# Altium PCB MB1397.PcbDoc (part 10 of 11)
Units mm, origin at the board's own origin, x right, y up, seen from the top; angles counter-clockwise.
Board outline 118.24 x 172.86 mm, 6 copper layers (Top Layer, L2_GND, L3_VCC, L4_SIG, L5_GND, Bottom Layer), stack 1.631 mm thick; 819 components, 632 nets, 2875 pads, 1523 vias.
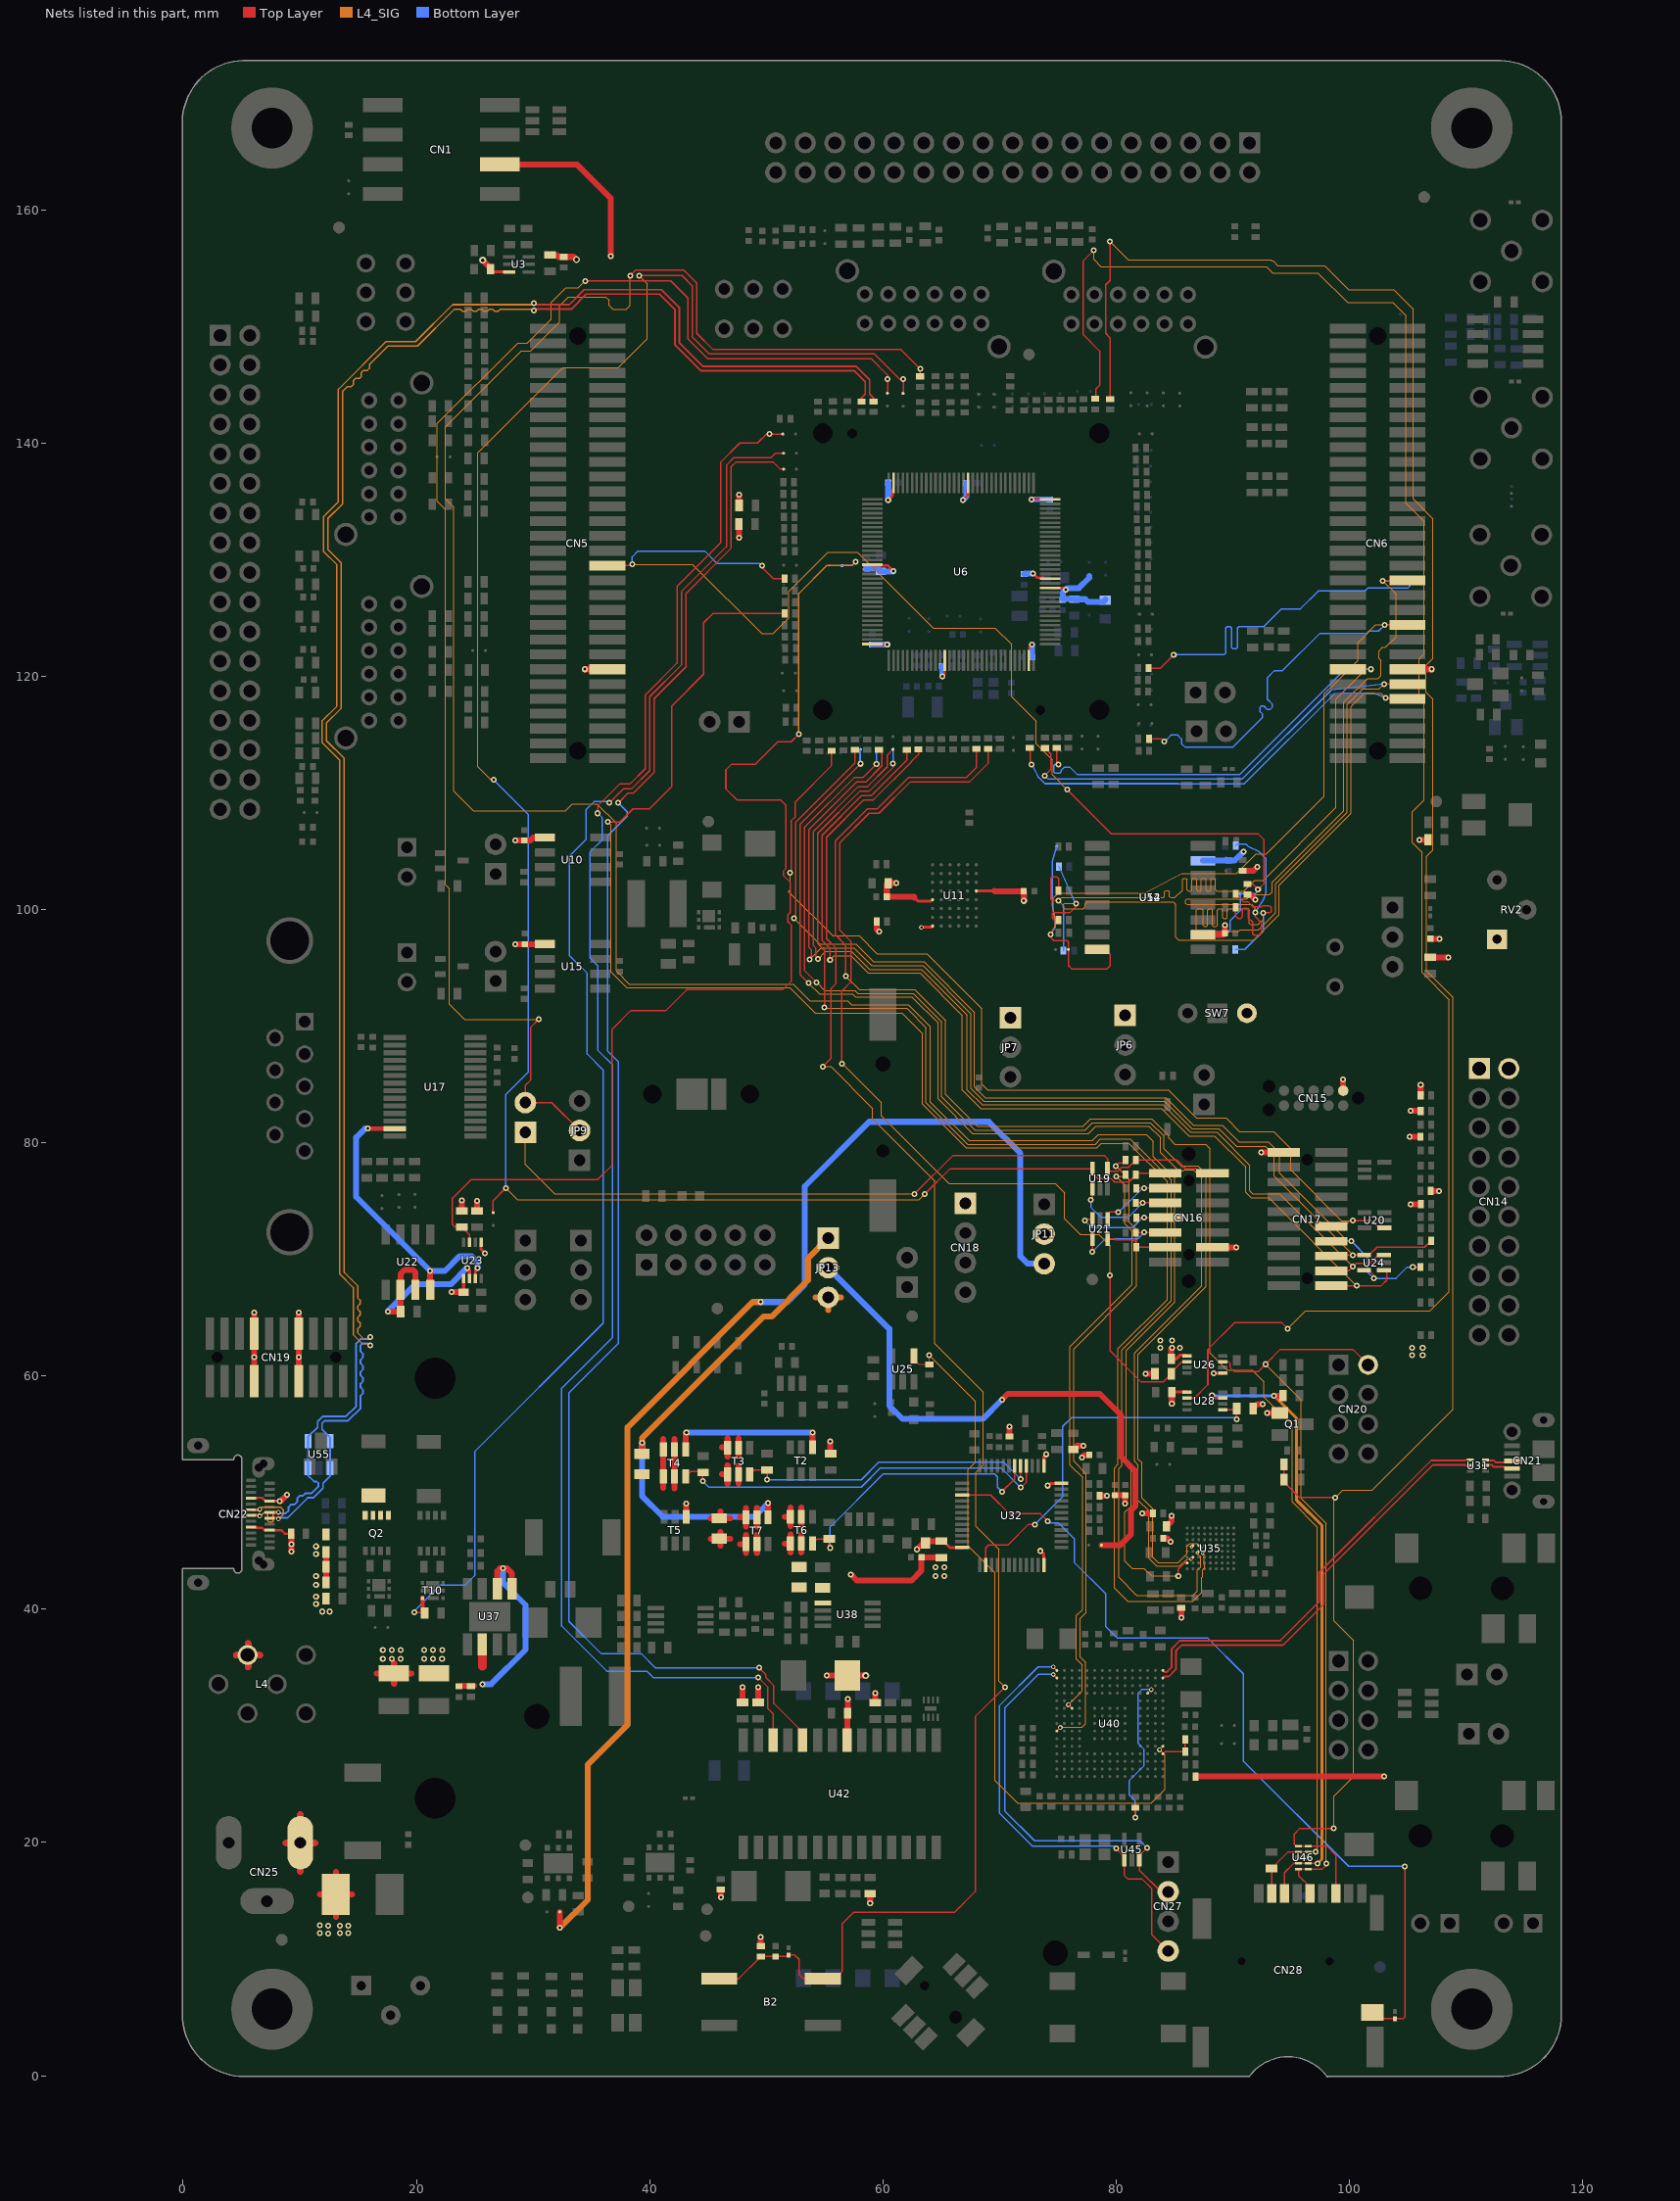
[diagram p14: the nets of this part, all layers, seen from the top]

## Via types
v1: diameter 0.508, hole 0.254, Top Layer to Bottom Layer, tented both sides, 1330 vias
v2: diameter 0.406, hole 0.203, Top Layer to Bottom Layer, tented both sides, 115 vias
v3: diameter 0.508, hole 0.254, Top Layer to Bottom Layer, 33 vias
v4: diameter 0.305, hole 0.152, Top Layer to Bottom Layer, tented both sides, 26 vias
v5: diameter 0.61, hole 0.305, Top Layer to Bottom Layer, tented both sides, 14 vias
v6: diameter 0.61, hole 0.33, Top Layer to Bottom Layer, tented both sides, 2 vias
v7: diameter 0.381, hole 0.203, Top Layer to Bottom Layer, tented both sides, 2 vias
v8: diameter 0.508, hole 0.203, Top Layer to Bottom Layer, tented both sides, 1 vias

## Nets (pads, with @x,y where several pads share a name; then routed paths per layer and width w, separated by ;. In a path a pad name is that pad's centre, name@x,y a point inside that pad or via, vN(x,y) a via of type N, cw(c..) or ccw(c..) an arc to the next point about the centre after c; other vN are vias at no path point) (continued)
QSPI_BK2_IO0: CN6.52 R130.1 R170.2 R320.2 | length 93.1
  Top Layer w0.127: R130.1@72.603,113.85 72.616,113.835 72.616,112.57 v1(72.743,112.443) ; R170.2@75.047,99.086 74.671,99.085 74.521,99.235 74.521,99.616 74.648,99.743 76.045,99.743 76.553,100.251 v1(76.553,100.505) ; v1(103.096,118.158) 103.195,118.059 CN6.52@104.965,118.061
  L4_SIG w0.102: v1(76.553,100.505) 75.588,100.505 75.461,100.378 75.461,100.175 75.588,100.048 77.163,100.048 77.34,100.226 77.34,100.48 77.493,100.632 84.91,100.632 85.113,100.429 85.113,97.61 85.341,97.381 91.793,97.381 93.977,99.565 93.977,102.078 100.15,108.25 100.15,117.422 101.267,118.539 102.715,118.539 v1(103.096,118.158)
  Bottom Layer w0.127: v1(72.743,112.443) 73.028,111.948 73.363,111.316 73.886,110.792 85.316,110.792 85.34,110.768 90.969,110.768 98.684,118.484 99.2,118.539 102.08,118.539 v1(103.096,118.158) ; R320.2@75.088,103.681 76.5,100.526 v1(76.553,100.505)
QSPI_BK2_IO1: CN6.50 R133.1 R168.1 R321.1 | length 94.7
  Top Layer w0.127: v1(73.861,111.478) 74.394,112.011 74.394,113.33 R133.1@73.889,113.838 ; R168.1@90.235,101.349 90.95,100.632 91.336,100.632 91.74,100.228 92.453,100.228 92.527,100.302 93.165,100.302 93.292,100.175 93.292,99.84 93.165,99.713 v1(92.613,99.713) ; v1(102.969,119.329) CN6.50@104.965,119.331
  L4_SIG w0.102: v1(92.613,99.713) 92.613,99.141 92.174,98.702 91.514,98.702 91.412,98.803 91.412,99.946 91.31,100.048 89.626,100.048 89.525,99.946 89.525,99.311 89.423,99.21 89.22,99.21 89.118,99.311 89.118,99.946 89.017,100.048 88.76,100.048 88.659,99.946 88.659,98.651 88.557,98.549 88.354,98.549 88.252,98.651 88.252,99.946 88.151,100.048 87.947,100.048 87.846,99.946 87.846,98.651 87.744,98.549 87.541,98.549 87.439,98.651 87.439,99.946 87.338,100.048 86.992,100.048 86.878,99.934 86.878,98.219 86.98,98.118 90.498,98.118 90.65,98.27 92.199,98.27 93.673,99.743 93.673,102.205 99.819,108.351 99.819,117.574 101.143,118.897 102.537,118.897 v1(102.969,119.329)
  Bottom Layer w0.127: v1(73.861,111.478) 74.163,111.173 90.781,111.173 98.45,118.843 v1(102.969,119.329) ; R321.1@90.212,96.569 91.031,96.568 92.613,98.151 v1(92.613,99.713)
QSPI_BK2_IO2: CN6.47 R131.1 R167.2 R322.2 | length 93.7
  Top Layer w0.127: R131.1@74.888,113.85 74.887,112.586 v1(75.029,112.443) ; v1(75.052,100.759) 74.521,100.759 74.394,100.886 74.394,102.664 74.521,102.791 74.925,102.791 75.052,102.664 R167.2@75.052,101.626 ; CN6.47@99.865,120.601 v1(101.826,120.599)
  L4_SIG w0.102: v1(75.052,100.759) 75.306,101.013 84.056,101.013 84.158,101.115 84.158,101.521 84.259,101.623 84.463,101.623 84.564,101.521 84.564,101.115 84.666,101.013 85.037,101.013 85.677,101.653 85.677,102.563 85.778,102.664 85.982,102.664 86.083,102.563 86.083,101.697 86.185,101.595 86.388,101.595 86.49,101.697 86.49,102.563 86.591,102.664 86.794,102.664 86.896,102.563 86.896,101.697 86.998,101.595 87.201,101.595 87.302,101.697 87.302,102.563 87.404,102.664 87.607,102.664 87.709,102.563 87.709,101.697 87.81,101.595 88.014,101.595 88.115,101.697 88.115,102.563 88.217,102.664 88.42,102.664 88.522,102.563 88.522,101.697 88.623,101.595 90.952,101.595 91.869,102.512 92.606,102.512 98.854,108.76 98.854,118.057 101.397,120.599 v1(101.826,120.599)
  Bottom Layer w0.127: v1(75.029,112.443) 74.775,112.443 74.648,112.316 74.648,111.808 74.775,111.681 75.156,111.681 75.283,111.808 75.283,111.935 75.537,112.189 76.045,112.189 76.683,111.552 90.561,111.552 99.609,120.599 v1(101.826,120.599) ; v1(75.052,100.759) 75.479,100.333 R322.2@75.479,96.468
QSPI_BK2_IO3: CN6.36 R116.1 R169.1 R319.1 | length 97.5
  Top Layer w0.127: R116.1@82.771,120.701 83.795,120.701 v1(84.935,121.841) ; 90.244,99.469 90.244,99.428 ; R169.1@90.244,100.175 90.244,99.428 ; v1(91.92,99.743) 91.92,99.388 92.456,98.852 92.456,97.942 92.301,97.787 91.818,97.787 91.691,97.914 91.691,98.93 91.336,99.286 91.336,99.972 91.209,100.099 90.952,100.099 90.825,99.972 90.825,99.39 90.658,99.223 90.449,99.223 90.244,99.428 ; v1(102.842,128.191) 102.87,128.219 CN6.36@104.965,128.221
  L4_SIG w0.102: v1(91.92,99.743) 91.92,100.124 91.615,100.429 86.053,100.429 85.951,100.531 85.951,100.81 86.053,100.912 91.183,100.912 91.539,101.267 93.139,101.267 93.368,101.496 93.368,102.332 99.515,108.478 99.515,117.777 101.547,119.809 102.461,119.809 102.69,120.038 102.69,121.356 102.537,121.511 102.537,122.171 102.842,122.476 103.096,122.476 103.985,123.365 103.985,127.048 v1(102.842,128.191)
  Bottom Layer w0.127: v1(84.935,121.841) 89.253,121.841 89.38,121.968 89.38,124.127 89.507,124.254 89.761,124.254 89.888,124.127 89.888,122.476 90.015,122.349 90.269,122.349 90.396,122.476 90.396,124.127 90.523,124.254 92.652,124.254 94.176,125.778 95.796,125.778 97.32,127.302 101.318,127.302 101.572,127.556 105.001,127.556 105.128,127.683 105.128,128.064 105.001,128.191 v1(102.842,128.191) ; R319.1@90.247,105.485 90.35,105.588 91.144,105.588 91.35,105.381 92.238,104.963 92.837,104.364 92.837,101.445 92.624,100.843 v1(91.92,99.743)
QSPI_BK2_NCS: CN5.34 R90.2 R166.2 SB120.1 U54.7 | length 106
  Top Layer w0.127: CN5.34@36.385,129.491 38.382,129.489 v1(38.504,129.588) ; v1(49.629,129.461) 49.629,129.334 50.264,128.702 50.602,128.364 R90.2@51.569,128.366 ; v1(75.791,110.284) 79.601,106.474 92.174,106.474 92.682,105.966 92.682,102.232 v1(92.159,101.709) 91.691,102.177 R166.2@91.26,102.178
  L4_SIG w0.102: v1(38.504,129.588) 43.66,129.588 49.604,123.645 50.571,123.645 51.943,125.016 51.943,127.257 55.306,130.621 57.822,130.621 64.315,124.127 69.624,124.127 71.018,122.733 71.018,118.25 73.124,116.144 73.124,114.224 74.521,112.827 74.521,111.554 v1(75.791,110.284)
  Bottom Layer w0.127: v1(38.504,129.588) 38.504,130.244 38.992,130.731 44.722,130.731 45.789,129.667 49.423,129.667 v1(49.629,129.461) ; U54.7@87.454,97.839 89.38,97.838 89.761,98.219 89.761,99.032 90.635,99.906 SB120.1@90.635,101.349 91.93,101.349 92.159,101.577 v1(92.159,101.709)
QSPI_CLK: CN6.42 R129.1 SB36.2 SB119.2 U12.16 | length 95.6
  Top Layer w0.127: v1(74.369,97.864) 74.369,97.61 74.648,97.33 75.776,97.33 75.903,97.203 75.903,96.571 SB36.2@75.901,96.572 75.9,95.189 76.172,94.917 79.22,94.917 79.474,95.171 79.474,96.187 79.093,96.568 U12.16@78.354,96.569 ; R129.1@82.807,114.623 83.898,114.623 v1(84.135,114.386) ; v1(103.033,124.409) CN6.42@104.965,124.411
  L4_SIG w0.102: v1(74.369,97.864) 74.775,98.6 74.775,98.981 74.62,99.87 74.62,100.985 75.029,101.394 82.42,101.394 85.595,103.071 90.294,103.071 91.996,104.772 92.885,104.772 97.838,109.728 97.838,118.491 98.662,119.315 98.665,119.315 100.711,121.361 100.711,122.885 102.235,124.409 v1(103.033,124.409)
  Bottom Layer w0.127: v1(74.369,97.864) 74.775,98.473 74.775,98.877 74.521,100.353 74.521,104.143 SB119.2@74.897,105.408 ; v1(84.135,114.386) 84.657,114.91 84.718,114.971 85.247,114.971 85.598,114.62 85.598,114.221 85.915,113.904 89.983,113.904 92.558,116.478 92.558,116.745 92.31,116.992 92.31,117.297 92.463,117.45 92.659,117.45 92.964,117.145 93.193,117.145 93.396,117.348 93.396,117.602 92.956,118.041 92.956,119.869 93.569,120.482 94.267,120.482 97.468,123.683 101.509,123.683 101.699,123.873 102.497,123.873 v1(103.033,124.409)
RS485_DIR: R201.1 SB123.2 U23.3 | length 98.2
  Top Layer w0.127: U23.3@24.551,71.472 24.551,72.111 R201.1@23.897,72.765 23.312,72.765 23.086,72.991 23.086,75.232 24.689,76.835 35.535,76.835 36.779,78.08 36.779,89.738 38.354,91.313 41.366,91.313 43.17,93.116 51.41,93.116 52.154,93.861 52.154,98.658 51.841,98.971 51.841,99.531 52.07,99.76 52.07,102.311 51.482,102.9 51.482,103.315 51.692,103.525 51.692,108.93 51.224,109.398 47.475,109.398 46.533,110.34 46.533,111.969 47.035,112.471 49.073,112.471 50.978,114.376 52.139,114.376 52.799,115.037 v1(52.781,115.037)
  L4_SIG w0.127: v1(52.781,115.037) 52.781,127.089 55.205,129.513 57.364,129.513 v1(57.661,129.809)
  Bottom Layer w0.127: SB123.2@56.48,129.487 57.339,129.487 v1(57.661,129.809)
RS485_DIR_3V3: R213.2 U22.2 U22.3 U23.6 | length 16.4
  Top Layer w0.254: v1(24.356,69.263) 24.549,69.07 U23.6@24.549,68.656
  Top Layer w0.508: v1(17.546,65.532) R213.2@18.647,65.532 18.636,65.54 18.636,68.75 18.981,69.096 19.698,69.096 19.906,68.887 U22.3@19.907,67.391
  Bottom Layer w0.508: v1(17.546,65.532) 19.883,67.866 22.959,67.866 v1(24.356,69.263)
SAI_FS_A: SB107.1 U35.E3 | length 112.6
  Top Layer w0.127: v1(54.988,91.615) 54.988,96.492 54.399,97.081 54.399,106.523 58.034,110.157 58.834,110.157 60.858,112.179 v1(60.858,112.519) ; v4(86.951,44.84) U35.E3@87.077,44.966
  L4_SIG w0.102: v1(54.988,91.615) 55.077,91.526 62.037,91.526 63.701,89.863 63.701,83.434 67.254,79.88 78.202,79.88 78.633,80.312 81.197,80.312 84.706,76.803 84.706,66.469 80.465,62.227 80.465,52.296 80.236,52.067 80.236,42.72 81.76,41.196 86.586,41.196 86.967,41.577 86.967,43.355 87.236,43.623 87.236,44.486 86.951,44.771 v4(86.951,44.84)
  Bottom Layer w0.127: v1(60.858,112.519) SB107.1@60.858,113.724
SAI_MCLK_A: SB111.1 U35.D3 | length 110
  Top Layer w0.127: v1(54.303,93.749) 53.264,94.788 53.264,107.031 57.534,111.3 58.265,111.3 v1(59.446,112.481) ; U35.D3@87.077,45.466 v4(87.236,45.306)
  L4_SIG w0.102: v1(54.303,93.749) 54.988,93.063 57.579,93.063 57.833,92.809 62.598,92.809 65.047,90.361 65.047,83.944 67.892,81.1 77.34,81.1 77.97,81.73 82.928,81.73 84.097,80.561 84.097,79.499 85.653,77.943 85.71,77.999 86.994,77.999 87.729,77.264 87.729,67.696 81.887,61.854 81.887,52.88 82.192,52.575 82.192,49.546 83.128,48.61 83.128,44.452 83.586,43.993 85.319,43.993 86.078,44.752 86.078,45.391 86.328,45.641 86.898,45.641 v4(87.236,45.306)
  Bottom Layer w0.127: v1(59.446,112.481) 59.461,112.497 SB111.1@59.461,113.698
SAI_SCK_A: R30.1 U35.G1 | length 217.9
  Top Layer w0.127: v1(38.326,154.353) 38.783,154.81 42.949,154.81 44.041,153.718 44.041,149.4 45.438,148.003 61.554,148.003 v1(63.19,146.37) R30.1@63.19,145.713 ; v1(85.316,42.847) 85.316,43.434 85.847,43.965 U35.G1@86.077,43.966
  L4_SIG w0.102: v1(38.326,154.353) 38.326,151.813 37.97,151.458 36.853,151.458 36.497,151.813 36.497,152.245 36.243,152.499 33.017,152.499 32.281,151.762 32.281,150.391 29.792,147.902 29.004,147.902 22.502,141.399 22.502,135.202 23.213,134.49 23.213,110.157 24.889,108.481 32.789,108.481 33.373,109.065 35.481,109.065 37.132,107.414 37.132,94.714 38.25,93.596 52.296,93.596 53.744,92.149 56.97,92.149 57.287,91.831 62.164,91.831 64.072,89.924 64.072,83.495 67.381,80.185 77.95,80.185 78.458,80.693 82.575,80.693 83.157,80.111 83.157,78.831 85.011,76.977 85.011,66.342 80.871,62.202 80.871,52.372 81.277,51.966 81.277,48.842 80.744,48.308 80.744,44.117 81.379,43.482 82.395,43.482 83.03,42.847 v1(85.316,42.847)
SAI_SD_A: R98.2 U35.E4 | length 149.8
  Top Layer w0.127: v1(36.421,107.503) 37.45,107.503 38.58,108.633 39.977,108.633 41.907,110.564 41.907,117.455 44.625,120.172 44.625,124.584 45.415,125.374 R98.2@51.569,125.375 ; v4(87.417,44.806) U35.E4@87.577,44.966
  L4_SIG w0.102: v1(36.421,107.503) 36.421,107.49 36.675,107.236 36.675,94.663 38.047,93.292 52.017,93.292 54.201,91.107 61.646,91.107 63.396,89.357 63.396,83.309 67.13,79.576 78.329,79.576 78.715,79.962 81.069,79.962 84.376,76.655 84.376,66.571 80.16,62.354 80.16,52.423 79.855,52.118 79.855,41.831 80.998,40.688 86.586,40.688 87.348,41.45 87.348,42.72 87.417,42.789 87.417,43.372 87.562,43.517 87.562,43.749 87.541,43.77 87.541,44.612 87.417,44.736 v4(87.417,44.806)
SAI_SD_B: SB110.1 U35.F2 | length 108.2
  Top Layer w0.127: v1(53.617,93.698) 52.885,94.43 52.885,107.29 v1(58.09,112.494) ; v4(86.416,44.305) U35.F2@86.577,44.466
  L4_SIG w0.102: v1(53.617,93.698) 54.557,92.758 57.376,92.758 57.63,92.504 62.471,92.504 64.717,90.259 64.717,83.767 67.688,80.795 77.62,80.795 78.25,81.425 82.801,81.425 83.792,80.434 83.792,79.141 85.339,77.594 85.736,77.594 85.836,77.695 86.633,77.695 87.348,76.98 87.348,67.747 81.557,61.956 81.557,52.702 81.887,52.372 81.887,49.34 82.779,48.448 82.779,44.369 83.459,43.688 85.461,43.688 86.078,44.305 v4(86.416,44.305)
  Bottom Layer w0.127: SB110.1@58.039,113.673 58.039,112.545 v1(58.09,112.494)
SH0: R230.2 T4.3 U32.4 | length 33.4
  Top Layer w0.127: T4.3@43.076,51.389 43.485,51.798 44.549,51.798 v1(44.549,50.975) ; v1(71.816,50.429) 72.306,50.919 U32.4@72.307,52.292
  Bottom Layer w0.127: v1(44.549,50.975) 45.057,50.467 58.138,50.467 59.789,52.118 70.129,52.118 v1(71.816,50.429)
SH0_D: R227.2 T4.1 T4.2 T4.5 T4.6 | length 8.1
  Top Layer w0.508: 41.176,50.424 T4.1@41.176,51.389 T4.6@41.176,53.689 41.176,54.601 ; 42.126,50.38 T4.2@42.126,51.389 42.126,52.349 ; 42.126,52.636 T4.5@42.126,53.689 42.126,54.621
SH1: R229.2 T3.3 U32.5 | length 26.6
  Top Layer w0.127: T3.3@48.58,51.572 48.58,51.57 48.948,51.938 R229.2@50.069,51.94 v1(50.068,51.102) ; v1(71.806,51.151) U32.5@71.807,52.292
  Bottom Layer w0.127: v1(50.068,51.102) 58.138,51.102 59.662,52.626 70.33,52.626 v1(71.806,51.151)
SH1_D: R238.2 T3.1 T3.2 T3.5 T3.6 | length 9.4
  Top Layer w0.508: 45.245,47.785 R238.2@46.073,47.785 ; 46.073,48.39 R238.2@46.073,47.785 ; 46.203,51.57 T3.1@46.68,51.57 ; 46.203,53.871 T3.6@46.68,53.871 ; 46.68,50.792 T3.1@46.68,51.57 ; 46.68,52.349 T3.1@46.68,51.57 ; 46.68,53.094 T3.6@46.68,53.871 ; 46.68,54.648 T3.6@46.68,53.871 ; 46.901,47.785 R238.2@46.073,47.785 ; 47.63,50.792 47.63,52.349 ; 47.63,53.094 47.63,54.648
SH2: R242.2 T6.3 U32.6 | length 24.6
  Top Layer w0.127: T6.3@53.957,45.627 54.366,46.035 R242.2@55.39,46.036 55.39,45.342 v1(55.471,45.26) ; v1(70.203,50.086) 71.305,51.189 U32.6@71.307,52.292
  Bottom Layer w0.127: v1(55.471,45.26) 55.471,47.038 60.043,51.61 69.568,51.61 69.822,51.356 69.822,50.467 v1(70.203,50.086)
SH2_D: R252.2 T6.1 T6.2 T6.5 T6.6 | length 7.2
  Top Layer w0.508: 51.58,45.626 T6.1@52.057,45.627 ; 51.58,47.925 T6.6@52.057,47.927 ; 52.057,44.846 T6.1@52.057,45.627 ; 52.057,46.403 T6.1@52.057,45.627 ; 52.057,47.147 T6.6@52.057,47.927 ; 52.057,48.705 T6.6@52.057,47.927 ; 53.007,44.846 T6.2@53.007,45.627 53.007,46.403 ; 53.007,47.147 T6.5@53.007,47.927 53.007,48.705
SmartCard_CLK: SB15.1 U42.24 | length 137.1
  Top Layer w0.127: v1(37.31,109.141) 38.158,109.99 38.618,109.99 40.383,111.755 40.383,118.087 43.101,120.805 43.101,127.094 46.962,130.955 46.962,137.94 47.374,138.351 50.609,138.351 50.863,138.097 51.199,137.765 SB15.1@51.486,137.765 ; v1(49.375,34.973) 49.947,34.402 49.947,34.148 50.645,33.449 50.645,31.925 53.124,29.446 53.124,28.763 U42.24@53.123,28.765 ; SB15.1@51.486,137.763 SB15.1@51.486,137.763
  Bottom Layer w0.127: v1(37.31,109.141) 38.072,108.379 38.072,107.998 36.396,106.322 36.396,87.856 37.31,86.942 37.31,62.786 33.068,58.544 33.068,38.961 35.829,36.2 39.258,36.2 40.485,34.973 v1(49.375,34.973)
SmartCard_IO: SB12.1 U42.26 | length 138.8
  Top Layer w0.127: v1(35.532,108.252) 35.532,108.862 37.422,110.752 38.301,110.752 39.621,112.07 39.621,118.402 42.339,121.12 42.339,127.699 46.073,131.432 46.073,138.351 47.724,140.002 49.248,140.002 50.01,140.764 v1(50.264,140.764) SB12.1@51.415,140.764 ; v1(49.312,34.148) 50.137,33.322 50.137,31.483 50.584,31.036 50.584,28.763 U42.26@50.583,28.765
  Bottom Layer w0.127: v1(35.532,108.252) 35.938,107.846 35.938,105.992 34.897,104.95 34.897,95.832 35.532,95.197 35.532,87.958 36.802,86.688 36.802,63.294 32.459,58.951 32.459,38.555 36.319,34.694 39.748,34.694 40.295,34.148 v1(49.312,34.148)
SOURCE_EN: R264.2 SB13.1 T10.3 | length 121.9
  Top Layer w0.127: v1(19.842,39.731) R264.2@20.709,39.731 ; v1(36.548,109.141) 37.777,110.371 38.461,110.371 40.002,111.912 40.002,118.245 42.72,120.962 42.72,127.251 46.581,131.112 46.581,138.097 47.216,138.732 50.386,138.732 50.772,139.118 SB13.1@51.474,139.119
  Top Layer w0.305: T10.3@20.533,40.963 20.533,39.906 R264.2@20.709,39.731
  Bottom Layer w0.127: v1(19.842,39.731) 19.842,39.858 22.07,42.085 24.196,42.085 24.991,42.88 24.991,53.515 36.015,64.539 36.015,86.23 34.643,87.602 34.643,94.536 33.119,96.06 33.119,104.569 34.544,105.994 34.544,108.557 35.23,109.243 36.446,109.243 v1(36.548,109.141)
SPI2_MISO: CN28.7 R35.2 R231.1 R233.1 U46.5 U46.6 | length 200.2
  Top Layer w0.127: v1(79.474,157.274) 79.474,153.947 79.093,153.566 79.093,149.4 79.477,149.017 R35.2@79.477,143.675 ; R231.1@94.398,52.426 94.397,50.886 95.705,49.578 v1(98.778,49.578) ; v1(98.651,21.206) 95.755,21.206 95.273,20.724 95.273,19.835 95.41,19.698 98.052,19.698 98.824,18.926 CN28.7@98.824,15.624
  L4_SIG w0.102: v1(79.474,157.274) 81.023,155.725 93.241,155.725 93.342,155.623 93.444,155.623 93.85,155.217 97.889,155.217 99.946,153.159 103.777,153.159 105.458,151.478 105.458,135.202 107.16,133.5 107.16,121.536 106.576,120.952 106.576,118.615 107.16,118.031 107.16,105.103 106.627,104.569 106.627,94.714 108.887,92.453 108.887,57.147 101.953,50.213 99.413,50.213 v1(98.778,49.578) 98.651,49.451 98.651,39.014 100.33,37.335 100.33,25.654 98.651,23.975 v1(98.651,21.206)
SPI2_MOSI: R36.2 U28.2 | length 158.4
  Top Layer w0.127: v1(78.077,156.525) 77.188,155.636 77.188,149.273 78.585,147.876 78.585,144.955 78.247,144.617 R36.2@78.247,143.675 ; U28.2@86.052,58.116 86.716,58.115 87.856,59.256 87.856,62.278 90.142,64.564 94.206,64.564 v1(94.714,64.056)
  L4_SIG w0.102: v1(78.077,156.525) 78.077,155.727 78.689,155.115 92.885,155.115 93.419,154.582 97.3,154.582 99.84,152.042 103.706,152.042 104.823,150.924 104.823,134.846 106.398,133.271 106.398,121.892 105.966,121.46 105.966,118.209 106.398,117.777 106.398,109.395 105.382,108.379 105.382,105.712 106.22,104.874 106.22,94.587 108.557,92.25 108.557,67.231 106.906,65.58 96.238,65.58 v1(94.714,64.056)
SPI2_SCK: R134.2 R218.1 U26.2 | length 85.4
  Top Layer w0.127: v1(56.487,86.789) 56.462,86.815 56.462,92.987 57.249,93.774 57.249,97.279 56.291,98.237 56.291,105.72 58.824,108.252 59.659,108.252 62.326,110.919 67.409,110.919 69.012,112.522 R134.2@69.012,113.774 ; v1(79.474,68.628) 79.474,62.151 82.141,59.484 84.01,59.484 R218.1@84.721,60.194 84.719,60.31 85.644,61.234 U26.2@86.051,61.235
  L4_SIG w0.102: v1(56.487,86.789) 59.847,83.429 59.847,82.319 65.664,76.502 74.775,76.502 75.552,75.725 75.552,73.495 76.916,72.133 78.509,72.133 79.474,71.168 v1(79.474,68.628)
SPI_MOSI_3V3: CN28.3 R220.1 U28.7 U46.2 U46.9 | length 54.1
  Top Layer w0.127: CN28.3@94.423,15.625 94.422,17.409 95.212,18.199 v1(97.254,18.199)
  Top Layer w0.229: v1(88.212,58.341) 88.438,58.115 U28.7@89.152,58.116
  Top Layer w0.508: v1(93.52,58.316) 94.31,58.316 R220.1@94.311,58.318
  L4_SIG w0.254: v1(93.52,58.316) 95.476,56.36 95.476,49.345 97.635,47.186 97.635,18.58 v1(97.254,18.199)